# Altium PCB PCB信仰尺V1.0.pcbdoc (part 4 of 6)
Units mil, origin at the board's own origin, x right, y up, seen from the top; angles counter-clockwise.
Board outline 13501.75 x 10176.26 mil, 2 copper layers (Top Layer, Bottom Layer); 258 components, 187 nets, 2051 pads, 0 vias.
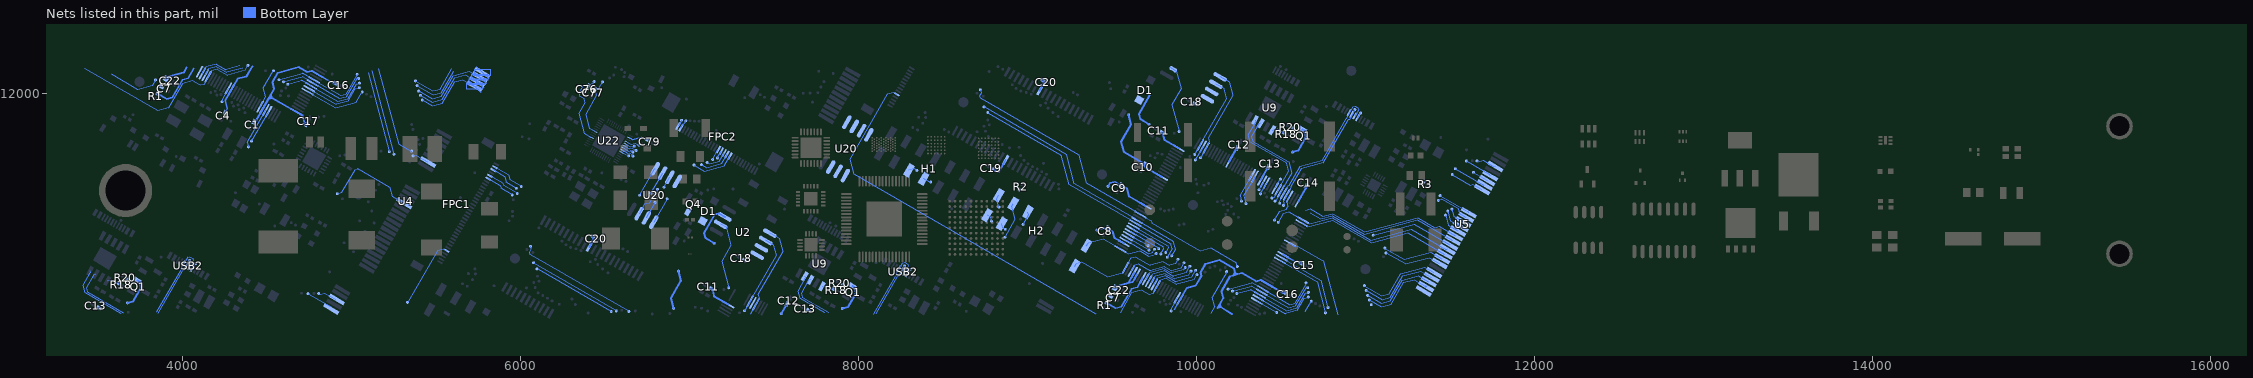
[diagram p4: the nets of this part, all layers, seen from the top]

## Nets (pads, with @x,y where several pads share a name; then routed paths per layer and width w, separated by ;. In a path a pad name is that pad's centre, name@x,y a point inside that pad or via, vN(x,y) a via of type N, cw(c..) or ccw(c..) an arc to the next point about the centre after c; other vN are vias at no path point) (continued)
NRF-CS: H2.5 pad.53 pad.145@8974.99,11223.37 pad.145@10266.66,11360.8 | length 257.5
  Bottom Layer w5.98: pad.145@8974.99,11223.37 9007.75,11280.1 H2.5@9003.5,11295.93 ; pad.145@10266.66,11360.8 10258.28,11392.05 pad.53@10329.92,11516.07
NRF-IRQ: H2.1 pad.52 pad.145@8832.11,11325.78 pad.145@10293.25,11346.24 | length 254.3
  Bottom Layer w5.98: H2.1@8830.3,11395.93 8818.69,11375.83 pad.145@8832.11,11325.78 ; pad.145@10293.25,11346.24 10280.99,11391.99 pad.52@10346.96,11506.23
PA0: pad.19@4915.15,10778.86 pad.111 pad.145@4806.91,10813.85 pad.145@9926.46,10995.94 pad.145@11659.91,11598.85 U5.5 | length 608.7
  Bottom Layer w5.98: pad.145@4806.91,10813.85 4815.76,10808.74 4843.96,10816.3 pad.19@4907.81,10779.44 ; pad.111@9614.9,10946.93 9637.23,10985.55 9655.36,10990.41 9726.03,10949.6 9812.1,10972.67 9853.81,10948.58 9907.41,10962.95 pad.145@9926.46,10995.94 pad.145@9926.4,10996.18 ; pad.145@11659.91,11598.85 11668.76,11593.74 11696.96,11601.3 11760.81,11564.44 U5.5@11766.93,11566.08
PA2: H2.14 pad.19@4880.48,10722.86 pad.109 pad.145@3841.76,12077.73 pad.145@4744.01,10813.45 pad.145@9891.01,11017.08 pad.145@11597.01,11598.45 U5.9 | length 1371.3
  Bottom Layer w5.98: 3582.16,12110.92 3737.79,12021.07 3822.08,12043.65 pad.145@3841.76,12077.73 ; pad.145@4744.01,10813.45 pad.19@4880.21,10734.82 ; H2.14@9281.02,10976.6 9289.51,10991.31 9321.21,10999.81 9476.84,10909.95 9561.12,10932.54 pad.109@9580.81,10966.61 9615.21,11026.22 9638.63,11032.49 9725.76,10982.19 9803.47,11003.02 9842.82,10980.3 9875.65,10989.09 9891.27,11016.14 pad.145@9891.01,11017.08 ; pad.145@11597.01,11598.45 11733.21,11519.82 U5.9@11735.43,11511.52
PA3: H2.13 pad.108 pad.145@9761.81,11050.64 pad.145@11638.96,11531.25 U5.11 | length 555.8
  Bottom Layer w5.98: H2.13@9349.91,11095.93 9359.44,11112.42 9448.38,11136.26 pad.108@9551.26,11076.86 9598.49,11049.59 9663.81,11067.09 9718.33,11035.62 9759.51,11046.66 pad.145@9761.81,11050.64 ; pad.145@11638.96,11531.25 11719.56,11484.72 U5.11@11719.69,11484.25
PA4: pad.105 pad.145@9752.07,11075.9 pad.145@11532.17,11552.14 U5.13 | length 401
  Bottom Layer w5.98: pad.105@9580.79,11128.01 9714.69,11050.74 9741.72,11057.99 pad.145@9752.07,11075.9 ; pad.145@11532.17,11552.14 11699.21,11455.7 U5.13@11703.94,11456.97
PA5: pad.104 pad.145@9719.76,11070.57 pad.145@11513.58,11518.14 U5.15 | length 354
  Bottom Layer w5.98: pad.104@9590.66,11145.1 pad.145@9719.76,11070.57 pad.145@9724.66,11071.88 ; pad.145@11513.58,11518.14 11621.18,11456.02 11635.81,11459.94 U5.15@11688.19,11429.69
PA6: pad.103 pad.145@9714.49,11097.29 pad.145@11441.96,11393.71 U5.17 | length 328.4
  Bottom Layer w5.98: pad.103@9600.48,11162.11 9601.71,11162.41 9673.49,11120.96 9673.6,11120.56 9714.3,11097.06 pad.145@9714.53,11097.13 ; pad.145@11441.96,11393.71 11608.28,11297.69 U5.17@11609.45,11293.31
PA7: pad.102 pad.145@9777.49,11079.44 pad.145@11431.44,11365.04 U5.19 | length 406.1
  Bottom Layer w5.98: pad.102@9610.31,11179.14 9776.48,11083.2 pad.145@9777.49,11079.44 pad.145@9778.62,11078.79 ; pad.145@11427.45,11367.34 pad.145@11431.44,11365.04 11452.08,11370.57 11548.61,11314.84 11555.83,11287.9 U5.19@11593.7,11266.04
PA8: pad.45@10466.3,11437.33 pad.145@10497.24,11490.63 pad.145@11511.67,11313.47 U5.21 | length 169.5
  Bottom Layer w5.98: pad.45@10466.3,11437.33 10466.5,11437.39 pad.145@10497.24,11490.63 ; pad.145@11511.67,11313.47 11523.22,11270.36 U5.21@11577.95,11238.76
PA9: pad.44@10483.34,11427.49 pad.145@10447.11,11378.94 pad.145@11487.34,11302.01 U5.23 U9.9 | length 1457.4
  Bottom Layer w5.98: 3452.89,10947.88 3456.09,10935.95 3413.22,10861.69 3424.91,10818.04 3639.29,10694.27 ; U9.9@7682.93,10914.9 7686.09,10902.95 7643.22,10828.69 7654.91,10785.04 7797.75,10702.86 ; U9.9@10346.93,11839.9 10350.09,11827.95 10307.22,11753.69 10318.91,11710.04 10533.29,11586.27 10546.52,11536.89 10483.35,11427.49 10456.83,11381.55 pad.145@10447.11,11378.94 ; pad.145@11487.34,11302.01 11502.34,11246.05 U5.23@11562.21,11211.48
PA10: pad.43@10500.39,11417.65 pad.145@10465.75,11360.86 pad.145@11474.1,11277.84 U5.25 U9.8 | length 1436.4
  Bottom Layer w5.98: 3487.01,10928.18 3474.98,10924.96 3431.38,10849.43 3438.18,10824.03 3652.01,10700.57 ; U9.8@7717.03,10895.21 7704.98,10891.96 7661.38,10816.43 7668.18,10791.03 7823.75,10701.86 ; U9.8@10381.03,11820.21 10368.98,11816.96 10325.38,11741.43 10332.18,11716.03 10546.01,11592.57 10563.57,11527.03 pad.43@10500.39,11417.65 10469.44,11363.98 pad.145@10469.75,11362.8 ; pad.145@11474.1,11277.84 11490.54,11216.49 U5.25@11546.46,11184.21
PA11: pad.42@10517.44,11407.81 pad.145@10493.17,11348.1 pad.A7@10936.96,11864.28 pad.B7@10902.92,11883.93 U5.27 USB2.A7 USB2.B7 | length 2722
  Bottom Layer w5.98: 3850.09,10706.59 3993.67,10955.17 3992.29,10960.45 4031.04,11027.23 4045.39,11031.08 4061.75,11021.63 4065.37,11008.1 USB2.A7@4043.28,10969.84 ; 8090.2,10691.09 8223.67,10922.17 8222.29,10927.45 8261.04,10994.23 8275.39,10998.08 8291.75,10988.63 8295.37,10975.1 USB2.A7@8273.28,10936.84 ; pad.145@10493.17,11348.1 10489.95,11360.11 10517.48,11407.79 10541.34,11449.12 10546.57,11450.52 10611.55,11563.08 10744.09,11598.59 10887.67,11847.17 10886.29,11852.45 10925.04,11919.23 10939.39,11923.08 10955.75,11913.63 10959.37,11900.1 pad.A7@10937.28,11861.84 ; 10647.28,11307.96 10672.84,11314.81 10747.8,11271.53 10806.52,11287.27 10994.83,11178.55 11308.62,11262.63 11411.12,11203.44 11437.78,11210.59 U5.27@11530.71,11156.93
PA12: pad.41@10534.49,11397.96 pad.145@4043.74,11010.26 pad.145@4077.7,10990.42 pad.145@8273.74,10977.26 pad.145@8307.7,10957.42 pad.145@10515.58,11335.04 pad.145@10937.74,11902.26 pad.145@10971.7,11882.42 pad.A6@10919.98,11874.08 pad.B6@10954.02,11854.43 U5.29 USB2.A6 USB2.B6 | length 2480.7
  Bottom Layer w5.98: 3857.95,10696.29 4004.02,10949.13 4009.3,10950.52 4043.82,11009.97 pad.145@4043.74,11010.26 ; USB2.B6@4060.34,10959.99 4060.28,10960.24 pad.145@4077.7,10990.42 ; 8105.66,10693.94 8234.02,10916.13 8239.3,10917.52 8273.82,10976.97 pad.145@8273.74,10977.26 ; USB2.B6@8290.34,10926.99 8290.28,10927.24 pad.145@8307.7,10957.42 ; pad.145@10515.58,11335.04 10518.75,11340.53 10513.21,11361.2 10534.45,11397.99 10558.34,11439.36 10556.95,11444.53 10619.45,11552.78 10751.95,11588.29 10898.02,11841.13 10903.3,11842.52 10937.82,11901.97 pad.145@10937.74,11902.26 ; 10673.6,11291.51 10735.43,11255.81 10804.82,11274.41 10993.13,11165.68 11306.92,11249.76 U5.29@11514.96,11129.65 ; pad.B6@10954.34,11851.99 10954.28,11852.24 pad.145@10971.7,11882.42
PA13: H1.6 pad.40@10551.53,11388.12 pad.145@8346.44,11542.76 pad.145@10462.12,11248.23 pad.145@11046.06,11159.4 U5.31 | length 732.5
  Bottom Layer w5.98: H1.6@8299.68,11542.26 8332.21,11550.97 pad.145@8346.44,11542.76 ; pad.145@10462.12,11248.23 10461.95,11248.86 10492.05,11301 10532.51,11311.84 10541.25,11326.98 10533.31,11356.61 pad.40@10551.53,11388.12 pad.40@10551.32,11388.85 ; pad.145@11046.06,11159.4 11288.12,11224.25 U5.31@11499.21,11102.38
PA14: H1.8 pad.36@10632.22,11248.34 pad.145@8428.44,11473.38 pad.145@10484.03,11235.3 U5.33 | length 1179.8
  Bottom Layer w5.98: H1.8@8386.28,11492.26 8421.97,11471.65 pad.145@8428.44,11473.38 ; pad.145@10484.03,11235.3 10515.42,11289.67 10546.32,11297.95 pad.36@10632.22,11248.34 10669.57,11226.79 10803.27,11262.62 11032.86,11130.07 11271.82,11194.1 11479.68,11074.09 U5.33@11483.47,11075.1
PA15: pad.35@10622.38,11231.29 U5.35 | length 933.1
  Bottom Layer w5.98: pad.35@10622.38,11231.29 10659.94,11209.6 10805.55,11248.62 11037,11114.99 11251.73,11172.53 U5.35@11467.72,11047.83
PB0: FPC1.34 pad.99 pad.145@6005.47,11447.41 pad.145@6097.75,10959.86 pad.145@6537.8,10707.94 pad.145@8766.04,11884.53 pad.145@9827.94,11028.57 pad.145@11115.19,11082.85 U5.37 | length 2541.5
  Bottom Layer w5.98: FPC1.34@5849.03,11561.93 5930.39,11514.96 5938.06,11486.33 pad.145@6005.47,11447.41 ; pad.145@6102.04,10959.53 pad.145@6537.8,10707.94 ; pad.145@8766.04,11884.53 9201.8,11632.94 9248.87,11457.26 pad.99@9638.28,11232.44 ; pad.99@9639.86,11230.32 9849.37,11109.36 9857.53,11078.9 9828.57,11028.74 pad.145@9827.94,11028.57 ; pad.145@11115.19,11082.85 11229.58,11016.8 11385.91,11058.69 U5.37@11451.97,11020.55
PB1: FPC1.31 pad.98 pad.145@5981.65,11406.12 pad.145@6078.64,10996.46 pad.145@6567.94,10711.13 pad.145@8743.54,11918.11 pad.145@9854.77,11037.06 pad.145@11121.75,11053.86 U5.39 | length 2622.2
  Bottom Layer w5.98: FPC1.31@5819.48,11510.75 5896.4,11466.34 5899.89,11453.32 pad.145@5981.65,11406.12 ; pad.145@6078.64,10996.46 6079.54,10993.11 pad.145@6567.94,10711.13 ; pad.145@8742.64,11921.46 pad.145@8743.54,11918.11 9231.94,11636.13 9278.33,11463 pad.98@9648.13,11249.5 ; pad.98@9649.71,11247.38 9864.03,11123.64 9876.94,11075.45 pad.145@9854.77,11037.06 ; pad.145@11124.83,11053.77 11236.47,10989.31 11377.59,11027.13 U5.39@11436.22,10993.27
PB3: H2.4 pad.12@4780.96,12077.31 pad.12@10396,10839.19 pad.145@4572.28,12078.62 pad.145@5034.75,12111.4 pad.145@5379.51,12072.1 pad.145@8869.52,11194.56 pad.145@10187.33,10840.51 pad.145@10648.75,10877.86 pad.145@10994.55,10860.99 U5.43 | length 1996.2
  Bottom Layer w5.98: pad.145@4572.28,12078.62 4713.19,12116.38 4780.94,12077.26 4937.91,11986.64 4965.96,11994.16 5034.06,12112.1 pad.145@5034.47,12112.21 ; pad.145@5379.51,12072.1 5482.95,12012.38 5526.37,12024.02 5595.38,12143.54 ; H2.4@8848,11226.6 8854.22,11203.4 pad.145@8869.52,11194.56 ; pad.145@10187.33,10840.51 10328.23,10878.27 pad.12@10396,10839.19 10552.95,10748.53 10581,10756.04 10649.1,10873.99 pad.145@10649.51,10874.1 ; pad.145@10994.55,10860.99 11097.99,10801.27 11141.41,10812.9 11210.42,10932.43 11350.58,10969.98 U5.43@11404.73,10938.72
PB4: H2.2 pad.11@4771.11,12060.25 pad.11@10386.16,10822.14 pad.45@5776.27,12121.64 pad.145@4598.6,12066.57 pad.145@5043.03,12086.6 pad.145@5389.46,12044.02 pad.145@8788.11,11242.41 pad.145@10213.64,10828.46 pad.145@10658.43,10848.27 pad.145@11004.5,10832.91 U5.45 | length 2289.8
  Bottom Layer w1: 5738.7,12156.97 pad.45@5813.83,12086.32 ; 5726.89,12106.77 5825.64,12106.77 5825.64,12136.51 5726.89,12136.51 5726.89,12106.77
  Bottom Layer w5.98: pad.145@4598.6,12066.57 4709.01,12096.16 pad.11@4771.11,12060.25 4930.11,11968.51 4971.12,11979.5 5031.11,12083.4 pad.145@5043.03,12086.6 pad.145@5043.39,12086.39 ; pad.145@5389.46,12044.02 5484.25,11989.29 5531.26,12001.89 5604.89,12129.42 ; H2.2@8761.4,11276.6 8782.16,11264.61 pad.145@8788.11,11242.41 ; pad.145@10213.64,10828.46 10324.05,10858.05 10386.18,10822.18 10545.15,10730.4 10586.17,10741.39 10646.15,10845.29 10658.07,10848.48 pad.145@10658.43,10848.27 ; pad.145@11004.5,10832.91 11099.29,10778.18 11146.3,10790.78 11219.93,10918.31 11327.27,10947.07 U5.45@11388.98,10911.44
PB5: H2.3 pad.10@4761.27,12043.21 pad.10@10376.32,10805.1 pad.47@5760.52,12094.37 pad.145@4623.68,12052.09 pad.145@5048.05,12058.72 pad.145@5398.5,12011.86 pad.145@8868.2,11147.06 pad.145@10238.73,10813.98 pad.145@10663.09,10820.61 pad.145@11013.36,10802.75 U5.47 | length 2622.8
  Bottom Layer w1: 5722.95,12129.69 5798.08,12059.04 ; 5711.14,12109.24 5809.9,12109.24 pad.47@5809.9,12079.5 ; 5711.14,12109.24 5711.14,12079.5 pad.47@5809.9,12079.5 ; 5711.14,12109.24 pad.47@5809.9,12079.5
  Bottom Layer w5.98: pad.145@4624.42,12052.29 4624.67,12052.72 4706.75,12074.72 pad.10@4761.27,12043.21 4920.06,11951.56 4978.27,11967.16 5028.04,12053.36 pad.145@5048.05,12058.72 ; pad.145@5398.32,12013.86 5479.11,11967.22 5533.15,11981.7 5603.67,12103.84 5699.08,12129.4 pad.47@5758.19,12095.28 ; pad.145@8868.2,11147.06 8929.5,11253.23 8908.54,11331.44 H2.3@8916.9,11345.93 ; pad.145@10239.46,10814.18 10239.71,10814.61 10321.79,10836.6 pad.10@10376.32,10805.1 10535.1,10713.45 10593.31,10729.05 10643.08,10815.25 pad.145@10663.09,10820.61 ; pad.145@11013.36,10802.75 11094.15,10756.1 11148.2,10770.58 11218.71,10892.72 11314.13,10918.29 U5.47@11373.23,10884.17
PB6: pad.9@4751.43,12026.16 pad.9@10366.47,10788.05 pad.49@5744.77,12067.09 pad.145@5047.55,12031.31 pad.145@5408.71,11986.91 pad.145@10662.59,10793.2 pad.145@11023.75,10775.8 U5.49 | length 2079.3
  Bottom Layer w1: 5707.2,12102.42 pad.49@5782.34,12031.76 ; 5695.39,12081.96 5794.15,12081.96 5794.15,12052.22 ; 5695.39,12081.96 5695.39,12052.22 5794.15,12052.22 ; 5695.39,12081.96 5794.15,12052.22
  Bottom Layer w5.98: pad.9@4751.43,12026.16 4911.8,11933.58 4982.51,11952.53 5024.41,12025.11 pad.145@5047.55,12031.31 ; pad.145@5408.71,11986.91 5478.97,11946.35 5537.88,11962.13 5611.95,12090.43 5674.54,12107.2 5741.38,12068.62 pad.49@5742.44,12068 ; pad.9@10366.48,10788.06 10526.84,10695.47 10597.55,10714.42 10639.45,10787 pad.145@10662.59,10793.2 ; pad.145@11023.75,10775.8 11094.02,10735.23 11152.92,10751.02 11226.99,10879.32 11289.58,10896.09 11356.42,10857.5 U5.49@11357.48,10856.89
  Bottom Layer w10: pad.49@5741.43,12068.72 5741.38,12068.62 5739.81,12065.91 5739.99,12065.81 pad.49@5744.77,12067.09 ; U5.49@11356.47,10857.6 11356.42,10857.5 11354.85,10854.8 11355.03,10854.7 U5.49@11359.81,10855.98
PB7: pad.8@4741.59,12009.12 pad.8@10356.63,10771 pad.51@5729.02,12039.81 pad.145@5064.87,12006.9 pad.145@5419.82,11959.21 pad.145@10475.43,10702.42 pad.145@10679.91,10768.79 pad.145@11034.86,10748.1 U5.51 | length 1462.9
  Bottom Layer w1: 5691.46,12075.14 pad.51@5766.59,12004.49 ; 5679.65,12054.68 5778.4,12054.68 pad.51@5778.4,12024.94 ; 5679.65,12054.68 5679.65,12024.94 pad.51@5778.4,12024.94 ; 5679.65,12054.68 pad.51@5778.4,12024.94
  Bottom Layer w5.98: pad.8@4741.59,12009.12 4907.76,11913.17 5029.61,11945.82 pad.145@5064.87,12006.9 ; pad.145@5419.82,11959.21 5479.51,11924.75 5538.82,11940.64 5611.91,12067.25 5658.93,12079.85 pad.51@5726.69,12040.73 ; pad.8@10356.63,10771 pad.145@10475.43,10702.42 ; 10644.65,10707.71 pad.145@10679.91,10768.79
PB13: pad.6@10115.53,12052.76 pad.71 pad.138@7359.06,10768.24 pad.145@7326.84,10712.43 pad.145@9990.13,11637.24 U2.6 | length 993.8
  Bottom Layer w5.98: pad.145@7326.13,10712.24 pad.145@7326.84,10712.43 pad.138@7359.06,10768.24 7516.08,11040.21 7500.14,11099.69 U2.6@7451.55,11127.75 ; pad.145@9990.13,11637.24 9990.84,11637.43 pad.71@10023.06,11693.24 10180.08,11965.21 10164.14,12024.69 pad.6@10115.55,12052.75
PB14: pad.2@9863.47,12140.86 pad.70 pad.138@7376.1,10758.4 pad.145@7233.52,10847.75 pad.145@9897.52,11772.75 pad.145@9994.41,11604.22 U2.2 | length 928
  Bottom Layer w5.98: U2.2@7185.81,11223.44 7217.94,11204.89 7245.8,11100.93 7191.08,11006.16 pad.145@7233.52,10847.75 ; pad.2@9849.8,12148.45 9881.94,12129.89 9909.8,12025.93 9855.08,11931.16 pad.145@9897.52,11772.75 ; pad.145@9994.18,11604.15 pad.145@9994.41,11604.22 pad.70@10040.1,11683.4
PB15: pad.5@10140.53,12096.06 pad.69 pad.138@7393.18,10748.54 pad.145@10024.32,11616.97 U2.5 | length 1139.3
  Bottom Layer w5.98: 7360.56,10692.03 pad.138@7393.18,10748.54 7415.41,10787.04 7409.03,10810.85 7554.44,11062.7 7534.35,11137.68 U2.5@7476.55,11171.05 ; pad.145@10024.32,11616.97 10024.56,11617.03 10057.18,11673.54 10079.41,11712.04 10073.03,11735.85 10218.44,11987.7 10198.35,12062.68 pad.5@10140.55,12096.05
PC0: pad.119 pad.145@9995.82,10951.5 | length 559.8
  Bottom Layer w5.98: pad.119@4136.28,12106.28 4157.72,12143.42 4204.26,12155.89 4262.59,12122.21 4356.38,12147.35 ; pad.119@9751.28,10868.19 9772.76,10905.3 9819.3,10917.77 9877.63,10884.1 9971.42,10909.23 pad.145@9995.82,10951.5
PC1: pad.118 pad.145@9968.08,10946.9 | length 539.9
  Bottom Layer w5.98: pad.118@4119.2,12116.14 4141.44,12154.63 4200.84,12170.54 4256.51,12138.41 4338.87,12160.47 ; pad.118@9734.26,10878.02 9756.49,10916.52 9815.89,10932.43 9871.55,10900.29 9953.91,10922.36 pad.145@9968.08,10946.9 pad.145@9968.58,10946.61
PC2: pad.117 pad.145@9961.91,10975.61 | length 303.8
  Bottom Layer w5.98: pad.117@9717.19,10887.87 9740.56,10928.34 9811.86,10947.44 9864.5,10917.05 9939.74,10937.21 pad.145@9961.91,10975.61 pad.145@9961.85,10975.85
PC3: pad.116 pad.145@9933.83,10968.33 | length 276.8
  Bottom Layer w5.98: pad.116@9700.14,10897.71 9723.07,10937.44 9810.55,10960.88 9853.88,10935.86 9926.29,10955.26 pad.145@9933.83,10968.33 pad.145@9934.07,10968.39
PC4: pad.101 pad.145@9789.85,11048.26 | length 258.8
  Bottom Layer w5.98: pad.101@9620.16,11196.2 9803.52,11090.33 9806.89,11077.77 pad.145@9789.85,11048.26
PC5: pad.100 pad.145@9818.47,11056.88 | length 277
  Bottom Layer w5.98: pad.100@9630.01,11213.26 9830.79,11097.34 9834.29,11084.27 pad.145@9818.47,11056.88
PC6: pad.49@10398.11,11476.7 pad.145@10369.7,11428.05 | length 56.5
  Bottom Layer w5.98: pad.145@10369.7,11428.05 10370.12,11428.16 pad.49@10398.11,11476.7
PC7: pad.48 pad.145@10379.11,11403.64 | length 74.4
  Bottom Layer w5.98: pad.145@10378.9,11404.43 pad.145@10379.11,11403.64 10415.67,11466.96 pad.48@10415.2,11466.84
PC13: FPC1.33 pad.138@4460.15,11919.29 pad.145@4538.94,12131.86 pad.145@5976.41,11437.07 pad.145@10178.75,10943.86 | length 698.1
  Bottom Layer w5.98: pad.138@4460.15,11919.29 4493.75,11977.44 4479.38,12031.07 pad.145@4538.94,12131.86 ; FPC1.33@5839.18,11544.87 5908.08,11505.09 5917.14,11471.29 pad.145@5976.41,11437.07 ; 10083.75,10696.86 10108.79,10739.33 10094.42,10792.95 pad.145@10179.71,10940.67
PD3: pad.28@10553.48,11111.96 pad.145@5357.42,11656.81 | length 1104.1
  Bottom Layer w5.98: 5163.75,12143.86 5283.21,11698.5 5356.06,11656.45 pad.145@5357.42,11656.81 ; pad.28@10553.48,11111.95 10588.61,11091.67 10600.51,11094.86 10751.63,11007.61 10837.02,10689.55 10837.75,10689.55
PD6: pad.23@10504.27,11026.71 pad.145@5252.45,11637.64 pad.145@10778.73,10730.82 | length 946.3
  Bottom Layer w5.98: 5120.11,12131.55 pad.145@5252.45,11637.64 ; pad.23@10504.27,11026.71 10735.15,10893.44 pad.145@10778.73,10730.82
PD7: pad.22@10494.43,11009.67 pad.145@5225.03,11652.5 pad.145@10763.78,10699.11 | length 928.8
  Bottom Layer w5.98: 5099.59,12120.65 pad.145@5225.03,11652.5 ; pad.22@10494.43,11009.67 10714.63,10882.54 pad.145@10763.78,10699.11
PE5: pad.141 pad.145@4409.75,11715.86 | length 197.9
  Bottom Layer w5.98: pad.145@4412.51,11718.31 4511.3,11889.43 pad.141@4511.21,11889.77
PE6: pad.140 pad.145@4390.95,11681.84 | length 248.4
  Bottom Layer w5.98: pad.145@4390.95,11681.84 4383.78,11708.58 4494.06,11899.59 pad.140@4494.25,11899.61
PF6: pad.127 pad.145@4235.53,11948.69 pad.145@4917.15,11404.49 pad.145@9850.57,10710.57 U4.23 | length 735.8
  Bottom Layer w5.98: pad.145@4235.53,11948.69 4232.84,11958.73 pad.127@4272.62,12027.56 ; pad.145@4917.15,11404.49 4944.54,11411.83 5022.76,11547.31 5039.52,11551.8 5231.55,11440.93 5246.3,11385.88 U4.23@5311.35,11348.32 ; pad.145@9850.57,10710.57 9847.88,10720.61 pad.127@9887.63,10789.47
PF11: FPC1.30 pad.96 pad.145@5365.59,11628.55 pad.145@5952.51,11397.18 pad.145@6060.77,11093.15 pad.145@6642.19,10708.23 pad.145@8721.75,12019.86 pad.145@10242.45,10974.2 U4.13 | length 2944.1
  Bottom Layer w5.98: pad.145@5365.59,11628.55 5384.26,11633.55 U4.13@5453.09,11593.81 ; FPC1.30@5809.63,11493.69 5881.45,11452.22 5885.89,11435.64 pad.145@5952.51,11397.18 ; pad.145@6060.77,11093.15 6065.31,11076.19 6055.43,11059.06 6059.25,11044.79 pad.145@6642.19,10708.23 ; pad.145@8724.77,12018.15 8729.31,12001.19 8719.43,11984.06 8723.25,11969.79 9306.19,11633.23 9350.86,11466.5 pad.96@9667.78,11283.53 ; pad.96@9669.37,11281.44 9734.16,11244 9737.31,11232.26 10022.45,11067.63 10084.83,11084.35 10236.38,10996.85 pad.145@10242.45,10974.2
RESET: D1.2@7080.34,11242.78 D1.2@9662.6,11958.71 FPC1.5 pad.5@8227.58,11992.52 pad.120 pad.145@3675.8,10758.8 pad.145@4388.38,12163.97 pad.145@5332.75,10761.86 pad.145@7905.8,10725.8 pad.145@10003.42,10925.86 pad.145@10569.8,11650.8 Q1.2 Q4.3 R20.2 | length 5009.8
  Bottom Layer w5.98: 3422.75,12143.86 3854.54,11894.42 3920.48,11912.09 4003.77,12056.36 4060.04,12071.43 4106.07,12044.86 4126.63,12050.37 pad.120@4153.29,12096.46 4173.84,12132.14 4207.71,12141.21 4267.69,12106.58 4371.26,12134.34 pad.145@4388.38,12163.97 ; pad.145@5332.75,10761.86 5510.25,11069.9 5543.86,11078.9 FPC1.5@5563.58,11067.52 ; pad.5@8227.58,11992.52 8207.86,12003.9 8174.25,11994.9 7951.76,11609.54 7976.14,11518.55 9407.44,10692.19 ; 9551.22,10701.16 9618.82,10818.25 9675.08,10833.32 9721.11,10806.75 9741.67,10812.26 9768.3,10858.37 9788.88,10894.03 9822.75,10903.1 9882.73,10868.47 9986.31,10896.22 pad.145@10003.42,10925.86
  Bottom Layer w11.81: pad.145@3675.8,10758.8 3708.16,10767.47 3755.36,10849.21 3745.71,10885.22 Q1.2@3734.94,10891.43 ; pad.145@7905.8,10725.8 7938.16,10734.47 7985.35,10816.21 7975.71,10852.22 Q1.2@7964.94,10858.43 ; pad.145@10569.8,11650.8 10602.16,11659.47 10649.35,11741.21 10639.71,11777.22 Q1.2@10628.94,11783.43
RTS: R18.1 U9.6 | length 225.7
  Bottom Layer w5.98: 3555.17,10888.83 3583.48,10896.42 R18.1@3623.26,10873.45 ; U9.6@7785.22,10855.84 7813.48,10863.42 R18.1@7853.26,10840.45 ; U9.6@10449.22,11780.84 10477.48,11788.42 R18.1@10517.26,11765.45
SCK/CLK: FPC2.19 pad.145@6665.93,11650.86 pad.145@6772.84,11407.65 pad.145@7105.53,11589.07 U20.6 U22.31 | length 335.2
  Bottom Layer w5.98: U22.31@6611.61,11674.56 6642.54,11656.71 6652.42,11659.36 pad.145@6667.01,11650.93 ; pad.145@6771.87,11407.39 pad.145@6772.84,11407.65 U20.6@6841.75,11527.01 ; pad.145@7105.53,11589.07 7118.9,11581.36 7177.91,11597.17 FPC2.19@7206.39,11646.5
SCS/CMD: pad.145@6685.57,11660.73 pad.145@6868.85,11374.53 U20.1 U22.30 | length 235.4
  Bottom Layer w5.98: U22.30@6618.5,11686.49 6647.94,11669.53 6663.23,11673.62 pad.145@6685.57,11660.73 pad.145@6685.62,11660.54 ; U20.1@6789.38,11236.29 6789.26,11236.68 pad.145@6868.85,11374.53
SDI/SD1: FPC2.17 pad.145@6641.36,11628.67 pad.145@6706.16,11395.66 pad.145@7138.12,11607.06 U20.5 U22.33 | length 300.8
  Bottom Layer w5.98: U22.33@6597.83,11650.69 6637.63,11627.67 pad.145@6641.36,11628.67 ; pad.145@6706.16,11395.66 6796.07,11551.39 U20.5@6798.45,11552.01 ; pad.145@7137.76,11606.96 pad.145@7138.12,11607.06 FPC2.17@7172.27,11666.2
SDO/SD0: FPC2.18 pad.145@6666.36,11627.1 pad.145@6797.31,11352.87 pad.145@7166.43,11615.87 U20.2 U22.32 | length 227.6
  Bottom Layer w5.98: U22.32@6604.72,11662.63 6637.05,11643.94 6644.11,11645.84 6664.49,11634.07 pad.145@6666.36,11627.1 ; U20.2@6746.07,11261.29 6745.54,11263.22 pad.145@6797.31,11352.87 ; pad.145@7166.43,11615.87 7189.48,11655.79 FPC2.18@7189.33,11656.35
SENSOR-VN: C77.1 FPC2.4 pad.145@6487.41,12066.36 pad.145@6979.32,11835.71 U22.8 | length 405.8
  Bottom Layer w5.98: U22.8@6441.15,11772.98 6412.07,11789.77 6389.09,11875.56 6452.75,11985.83 6443.56,12020.15 6463.87,12025.59 pad.145@6487.41,12066.36 pad.145@6487.83,12066.47 ; FPC2.4@6950.65,11794.15 6965.01,11819.02 6970.54,11820.5 pad.145@6979.32,11835.71
SENSOR-VP: C76.2 FPC2.3 pad.145@6436.74,12068.49 pad.145@6954.12,11839.57 U22.5 | length 482.5
  Bottom Layer w5.98: U22.5@6420.45,11737.13 6382.75,11758.89 6349.76,11882.02 6384.05,11941.41 6377.41,11966.18 6355.68,11978.73 6349.75,12000.85 6375.9,12046.15 6390.53,12050.07 6403.77,12042.43 6407.17,12048.32 6428.37,12054 pad.145@6436.74,12068.49 ; FPC2.3@6933.59,11804 pad.145@6954.12,11839.57
SHD/SD2: FPC2.21 pad.145@6701.17,11692.3 pad.145@6850.22,11443.03 pad.145@7027.84,11574.32 U20.7 U22.28 | length 406.7
  Bottom Layer w5.98: U22.28@6632.24,11710.35 6655.83,11696.73 6681.55,11703.62 pad.145@6701.17,11692.3 pad.145@6701.43,11692.36 ; pad.145@6849.6,11440.69 U20.7@6885.01,11502.01 ; pad.145@7027.84,11574.32 7089.78,11538.57 7207.83,11570.2 FPC2.21@7240.51,11626.8
SWP/SD3: FPC2.20 pad.145@6673.68,11685.86 pad.145@6811.06,11431.04 pad.145@7072.1,11576.4 U20.3 U22.29 | length 435.6
  Bottom Layer w5.98: U22.29@6625.34,11698.4 6653.2,11682.31 6673.8,11687.83 6677.01,11685.98 pad.145@6677.26,11686.05 ; U20.3@6702.77,11286.29 6734.71,11341.61 6763.95,11349.44 pad.145@6811.06,11431.04 ; pad.145@7072.1,11576.4 7101.81,11559.25 7192.84,11583.64 FPC2.20@7223.45,11636.65
VCC3.3M: C1.2@4424.47,11830.23 C4.2 C8.2 C9.2@9553.49,11455.25 C10.2 C11.2 C12.1 C13.1 C14.1 C15.1 C16.1 C17.1 C18.1 C19.2 C20.1 pad.1@4672.69,11889.78 pad.7@10090.53,12009.46 pad.8@10065.53,11966.15 pad.11@8871.77,11604.45 pad.14@4800.64,12111.4 pad.14@10415.69,10873.29 pad.24@10514.11,11043.77 pad.33@6408.49,11090.11 pad.33@9072.49,12015.11 pad.37@10602.68,11358.59 pad.50 pad.61 pad.73 pad.83 pad.93 pad.106 pad.128 pad.138@7231.75,10748.55 pad.139 pad.145@6907.06,10726.34 pad.145@6935.85,10946.32 pad.145@7147.01,11111.73 pad.145@7543.44,10693.99 pad.145@9412.58,11188.89 pad.145@9477.05,11448.08 pad.145@9600.25,11871.78 pad.145@9720.01,11815.73 R2.1 R3.2 U2.3 U2.7 U2.8 | length 5420
  Bottom Layer w7.87: C4.2@4260.29,11895.7 4267.11,11907.5 4254.08,11956.12 pad.128@4289.67,12017.72 ; 9869.12,10718.01 pad.128@9904.72,10779.6
  Bottom Layer w10: pad.145@9412.58,11188.89 9467.22,11203.53 C8.2@9473.05,11200.16 ; pad.145@9477.05,11448.08 9477.7,11448.26 9488.83,11467.53 9518.52,11475.49 C9.2@9553.51,11455.28
  Bottom Layer w11.81: pad.128@4289.67,12017.72 4328.44,12084.92 4380.88,12098.97 4414.53,12157.25 ; C1.2@4424.49,11830.27 4432.82,11832.5 4477.23,11909.43 4509.88,11965.98 ; C17.1@4734.06,11814.53 4724.81,11819.88 4712.19,11866.96 pad.1@4672.69,11889.78 4530.92,11971.62 ; C16.1@4906.66,12057.65 4897.82,12055.28 pad.14@4800.64,12111.4 4765.55,12131.65 4738.84,12124.49 4689.27,12153.1 4564.82,12119.76 4533.29,12065.13 4544.01,12025.1 4523.9,11990.27 ; pad.33@6408.57,11090.06 6433.93,11133.98 C20.1@6429.84,11149.35 ; pad.145@6907.06,10726.34 6890.81,10786.98 6949.66,10888.91 6934.78,10944.46 pad.145@6935.85,10946.32 ; C11.2@7131.65,10842.38 7136.06,10839.83 7147.48,10797.21 pad.138@7231.76,10748.55 ; pad.145@7147.01,11111.73 7095.01,11141.75 7086.71,11172.73 7149.96,11282.29 7173.12,11288.5 U2.3@7210.81,11266.74 ; pad.145@7543.44,10693.99 7576.33,10750.95 C12.1@7577.59,10751.32 ; C19.2@8805.66,11545.93 8829.9,11531.94 pad.11@8871.77,11604.45 ; pad.33@9072.57,12015.06 9097.93,12058.98 C20.1@9093.84,12074.35 ; C8.2@9473.05,11200.16 9503.98,11182.3 9514.33,11143.67 pad.106@9570.96,11110.98 ; C9.2@9553.51,11455.28 9588.96,11434.82 9601.24,11388.99 pad.93@9698.9,11332.58 ; pad.145@9599.85,11871.32 9598.78,11869.46 9613.66,11813.91 9554.81,11711.98 9571.06,11651.34 C10.2@9693.71,11580.48 9699.34,11559.59 pad.83@9797.31,11503.03 ; pad.145@9720.01,11815.73 9668.01,11845.75 9659.71,11876.73 9722.96,11986.29 ; C11.2@9795.65,11767.38 9800.06,11764.83 9811.48,11722.21 pad.73@9895.75,11673.54 ; pad.128@9904.72,10779.6 9943.48,10846.8 9995.92,10860.85 10029.57,10919.14 10024.25,10938.99 10053.42,10989.52 10136.2,11011.7 10221.98,10962.17 10228.72,10937.02 ; pad.61@10193.53,11594.81 10240.33,11675.95 C12.1@10241.59,11676.32 ; 10209.75,10692.86 10145.97,10733.5 ; pad.50@10381.06,11486.55 10425.48,11563.45 C13.1@10426.84,11563.84 ; pad.24@10514.11,11043.77 10586.62,11001.94 10598.59,11005.15 C15.1@10619.85,10992.88 ; C16.1@10521.74,10819.52 10512.86,10817.17 pad.14@10415.69,10873.29 10380.59,10893.53 10353.88,10886.38 10269.75,10934.95 10244.18,10928.1 ; pad.37@10602.68,11358.59 10652.35,11444.6 C14.1@10650.64,11451.11 ; 4509.88,11965.98 4530.92,11971.62 ; 4509.88,11965.98 4523.9,11990.27 ; 4523.9,11990.27 4528.53,11973 4530.92,11971.62 ; 10138.95,10752.16 10124.92,10727.87 10145.97,10733.5 ; 10138.95,10752.16 10143.57,10734.89 10145.97,10733.5 ; 10138.95,10752.16 10159.06,10786.99 10148.33,10827.02 10199.82,10916.21 10219.79,10921.56 ; 10219.79,10921.56 10244.18,10928.1 ; 10219.79,10921.56 10228.72,10937.02 ; 10228.72,10937.02 10244.18,10928.1
VDD-SDIO: C79.2 U20.8 U22.26 | length 78.9
  Bottom Layer w8: U22.26@6646.04,11734.25 6664.02,11723.87 6715.27,11737.6 6719.7,11735.04
VDDA: C7.1 C22.2 pad.112 pad.113 pad.115 R1.2@3851.85,11997.43 R1.2@9466.89,10759.31 | length 1024.4
  Bottom Layer w10: R1.2@3851.85,11997.43 3907.73,11965.12 3940.49,11973.89 4001.54,12079.64 4035.1,12088.63 4068.04,12145.68 ; R1.2@9466.89,10759.31 9522.77,10727 9555.53,10735.78 9616.59,10841.53 9650.14,10850.52 pad.115@9683.09,10907.56
  Bottom Layer w11.81: C22.2@3904.61,12085.31 3909.87,12094.5 4008.2,12120.85 4025.75,12150.86 ; C22.2@9519.65,10847.2 9524.91,10856.39 9596.47,10875.56 ; pad.112@9631.95,10937.08 9596.47,10875.56 ; pad.113@9648.96,10927.27 9623.25,10882.74 9596.47,10875.56